# Altium PCB DCDCv1.1.PcbDoc (part 2 of 5) (continued)
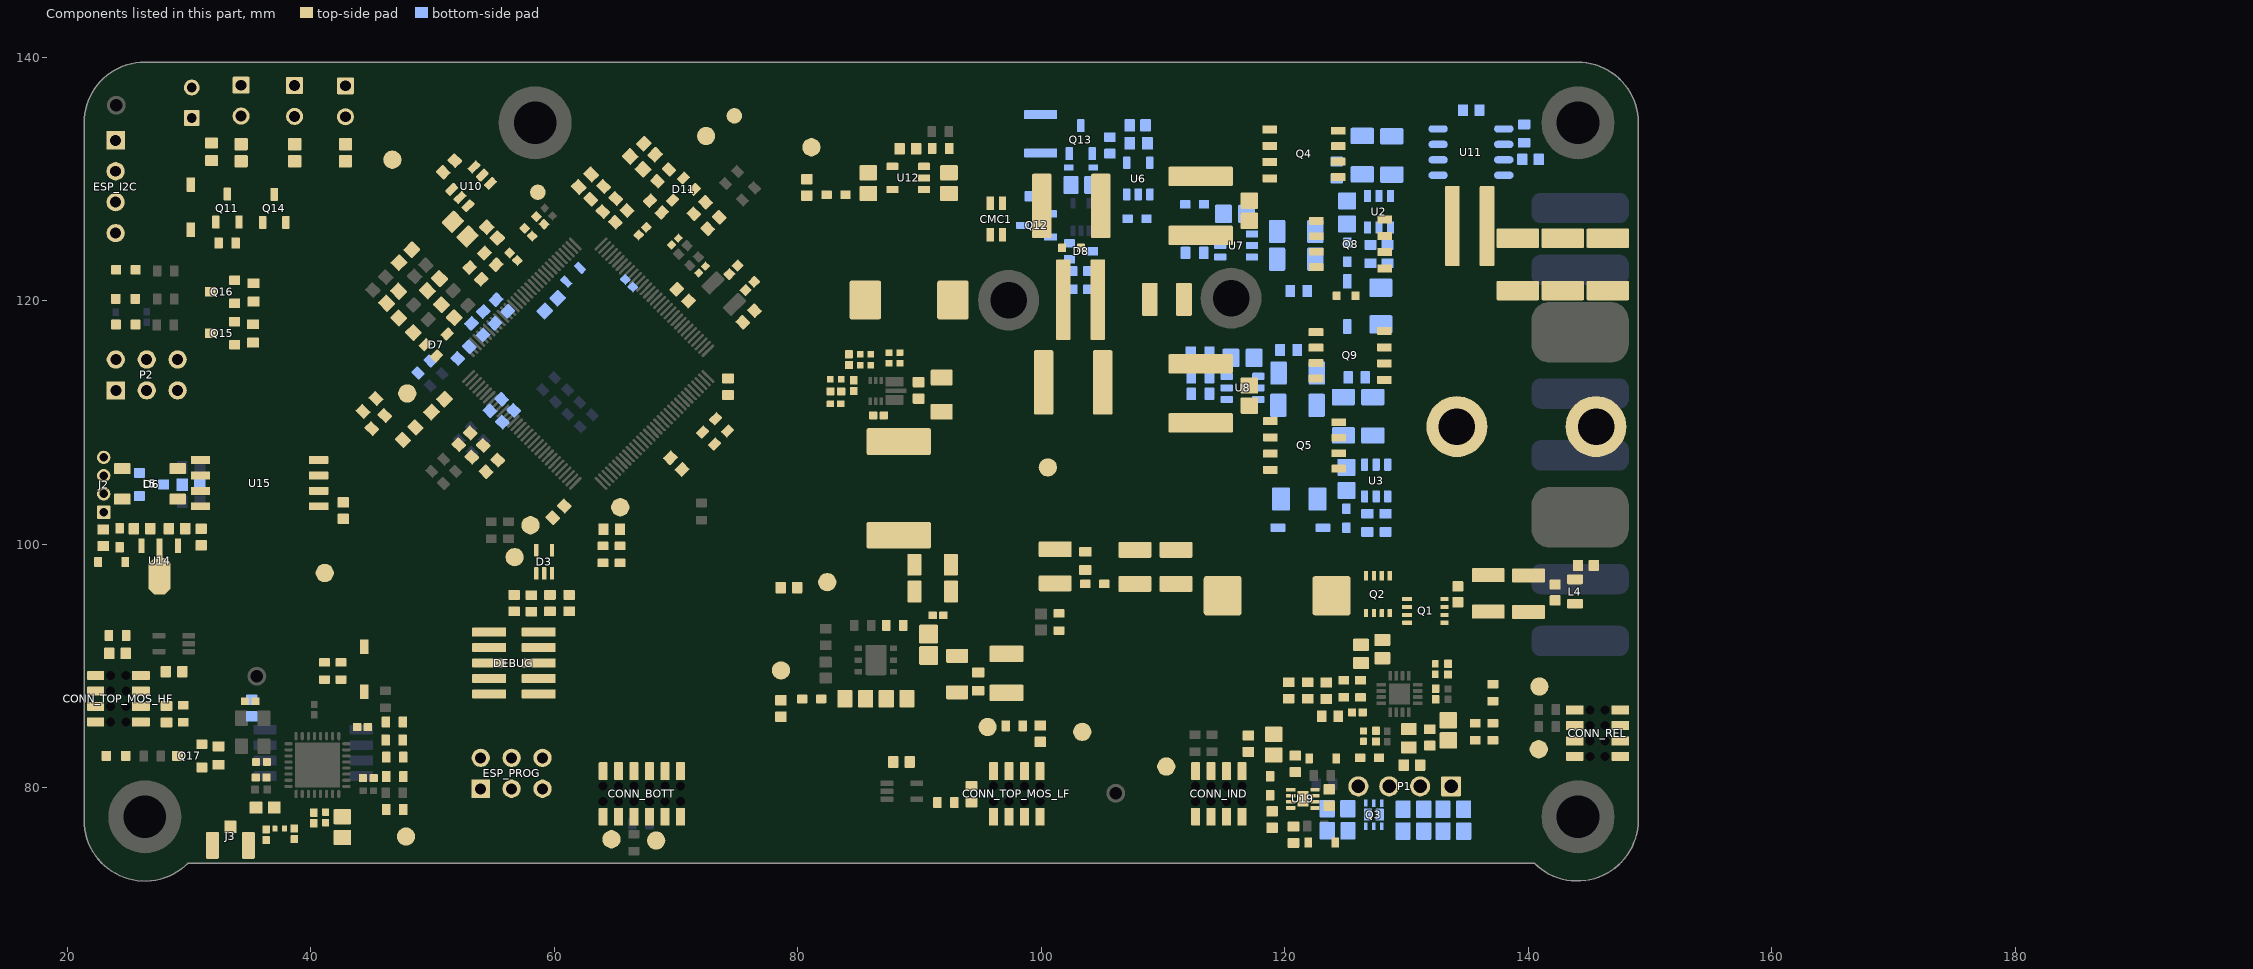
[diagram p4: the components of this part, seen from the top]
## Part data (continued)
Q1 Q2: library part CMP-1091-00311-1, "N-Channel OptiMOS 3 Power-Transistor, 80 V VDS, 23 A ID, -55 to 150 degC, PG-TSDSON-8-1, Reel, Green", Manufacturer=Infineon, ComponentLink1Description="Manufacturer URL", ComponentLink1URL=http://www.infineon.com/, ComponentLink2Description=Datasheet, ComponentLink2URL=http://www.infineon.com/dgdl/BSZ340N08NS3G_rev2.3.pdf?folderId=db3a304313b8b5a60113cee8763b02d7&fileId=db3a30431ff9881501206626660b6c72, ComponentLink3Description="Package Specification", ComponentLink3URL=http://www.infineon.com/dgdl/BSZ240N12NS3+Rev2.0.pdf?folderId=db3a304313b8b5a60113cee8763b02d7&fileId=db3a30432a40a650012a42f3057a0038, DatasheetVersion="Rev. 2.3", Green=TRUE, Halogen-free=TRUE, ID (max)="23Â A", IDpuls (max)="92Â A", Mounting Technology="Surface Mount", PackageDescription="8-Pin Plastic (Green) Thin Dual Small Outline Non-Leaded Package, 3.3 x 3.3 mm Body, 0.65 mm Pitch", PackageReference=PG-TSDSON-8-1, PackageVersion="Rev. 02, 09/2008", Packing=Reel, PartNumber=IAUZ20N08S5L300, Polarity=N, Ptot (max)="32Â W", QG="6.8Â nC", RDS (on) (max)="34Â mOhm", RDS (on) (max) (@4.5V)="66Â mOhm", Rth="3.9Â K/W", RthJA (max)="60 K/W", RthJC (max)="3.9Â K/W", VDS (max)="80Â V", VGS(th) (max)="3.5Â V", VGS(th) (min)="2Â V"
Q3: library part CMP-1258-00008-1, "Dual N-Channel Trench MOSFET, 30 V, -55 to 150 degC, 8-Pin SOT1118, Reel", Manufacturer="NXP Semiconductors", PartNumber=PMDPB56XN,115, Channel Type=N, Ciss [typ] (pF)=170, ComponentLink1Description="Manufacturer URL", ComponentLink1URL=http://www.nxp.com/, ComponentLink2Description=Datasheet, ComponentLink2URL=http://www.nxp.com/documents/data_sheet/PMDPB56XN.pdf, ComponentLink3Description="Package Specification", ComponentLink3URL=http://www.nxp.com/documents/outline_drawing/sot1118_po.pdf, Coss [typ] (pF)=35, DatasheetVersion="Rev. 1", Mounting Technology="Surface Mount", PackageDescription="6-Pin Small Outline No-Lead, Body 2 x 2 mm, Pitch 0.65 mm", PackageReference=SOT1118, PackageVersion="13-06-06, 06/2013", Packing=Reel, VDS [max] (V)=30, VGSth [typ] (V)=1
Q4 Q5 Q8 Q9: library part CMP-1091-00043-1, "N-Channel OptiMOS Power-Transistor, 60 V VDS, 100 A ID, -55 to 150 degC, PG-TDSON-8-1, Reel, Green", Manufacturer=Infineon, PartNumber=BSC027N06LS5, ComponentLink1Description="Manufacturer URL", ComponentLink1URL=http://www.infineon.com/, ComponentLink2Description=Datasheet, ComponentLink2URL=http://www.infineon.com/dgdl/BSC028N06NS_Rev2.1.pdf?folderId=db3a30431ddc9372011ebafa04517f8b&fileId=db3a3043345a30bc013465d221bd62f9, ComponentLink3Description="Package Specification", ComponentLink3URL=http://www.infineon.com/cms/packages/SMD_-_Surface_Mounted_Devices/P-PG-TDSON/P-PG-TDSON-08-01x_2x_3.html?__locale=en, DatasheetVersion="Rev. 2.1", Green=TRUE, Halogen-free=TRUE, ID (max)="100Â A", IDpuls (max)="400Â A", Mounting Technology="Surface Mount", PackageDescription="8-Pin Plastic (Green) Thin Dual Small Outline Non-Leaded Package, 5.15 x 5.9 mm Body, 1.27 mm Pitch", PackageReference=PG-TDSON-8-1, Packing=Reel, Polarity=N, Ptot (max)="83Â W", QG="37Â nC", RDS (on) (max)="2.8Â mOhm", Rth="1.5Â K/W", RthJA (max)="50 K/W", RthJC (max)="1.5Â K/W", VDS (max)="60Â V", VGS(th) (max)="3.3 V", VGS(th) (min)="2.1Â V"
Q11 Q14: library part CMP-1099-00031-1, "0.112Ω 2.8A,4.5V 1V 250uA 3.1A 0.86W 20V P Channel SOT-23(SOT-23-3) MOSFETs ROHS", JLCPCB Part #=C10487, Manufacturer=Infineon, PartNumber=BSS83P, ComponentLink1Description="Manufacturer URL", ComponentLink1URL=http://www.infineon.com/, ComponentLink2Description=Datasheet, ComponentLink2URL=http://www.infineon.com/dgdl/BSS83P_Rev1.5.pdf?folderId=db3a3043156fd5730115d6a107c41454&fileId=db3a304330f686060131045ae20e3ea3, ComponentLink3Description="Package Specification", ComponentLink3URL=http://www.infineon.com/dgdl/SOT23-Package_Overview.pdf?folderId=db3a30431936bc4b0119532290053c66&fileId=db3a30431936bc4b0119533468123c85, DatasheetVersion="Rev. 1.5", Green=TRUE, Halogen-free=TRUE, ID (max)="-0.33Â A", IDpuls (max)="-1.32Â A", Mounting Technology="Surface Mount", PackageDescription="3-Pin Small Outline Transistor Package, 2.9 x 1.3 mm Body, 0.95 mm Pitch", PackageReference=PG-SOT23, PackageVersion=Apr-08, Packing=Reel, Pto t (max)="0.36Â W", QG="2.38Â nC", RDS (on) (max)="2,000Â mOhm", RDS (on) (max) (@4.5V)="3,000Â mOhm", Rth="350Â K/W", VDS (max)="-60Â V", VGS(th) (max)="-2Â V", VGS(th) (min)="-1Â V"
Q12 Q13: library part CMP-1099-00031-1, "P-Channel SIPMOS Small-Signal-Transistor, -60 V VDS, -0.33 A ID, -55 to 150 degC, PG-SOT23, Reel, Green", Manufacturer=Infineon, PartNumber=BSS83P, ComponentLink1Description="Manufacturer URL", ComponentLink1URL=http://www.infineon.com/, ComponentLink2Description=Datasheet, ComponentLink2URL=http://www.infineon.com/dgdl/BSS83P_Rev1.5.pdf?folderId=db3a3043156fd5730115d6a107c41454&fileId=db3a304330f686060131045ae20e3ea3, ComponentLink3Description="Package Specification", ComponentLink3URL=http://www.infineon.com/dgdl/SOT23-Package_Overview.pdf?folderId=db3a30431936bc4b0119532290053c66&fileId=db3a30431936bc4b0119533468123c85, DatasheetVersion="Rev. 1.5", Green=TRUE, Halogen-free=TRUE, ID (max)="-0.33Â A", IDpuls (max)="-1.32Â A", Mounting Technology="Surface Mount", PackageDescription="3-Pin Small Outline Transistor Package, 2.9 x 1.3 mm Body, 0.95 mm Pitch", PackageReference=PG-SOT23, PackageVersion=Apr-08, Packing=Reel, Pto t (max)="0.36Â W", QG="2.38Â nC", RDS (on) (max)="2,000Â mOhm", RDS (on) (max) (@4.5V)="3,000Â mOhm", Rth="350Â K/W", VDS (max)="-60Â V", VGS(th) (max)="-2Â V", VGS(th) (min)="-1Â V"
Q15 Q16 Q17: library part CMP-2000-04929-1, "N-Channel Enhancement Mode Field Effect Transistor, 60 V, 0.115 A, -55 to 150 degC, 3-Pin SOT23, RoHS, Tape and Reel", Id - Continuous Drain Current=115mA, JLCPCB Part #=C8545, Manufacturer=DiodesIncorporated, Maximum Operating Temperature=+150C, Minimum Operating Temperature=-55C, Package / Case=SOT-23-3, Package Description="3-Pin Small Outline Transistor, Body 2.9 x 1.3 mm, Pitch 0.96 mm", Package Reference=SOT23-3, Pd - Power Dissipation=300mW, Rds On - Drain-Source Resistance=7.5Ohms, Vds - Drain-Source Breakdown Voltage=70V, Vgs - Gate-Source Voltage=20V, Brand=DiodesIncorporated, Channel Mode=Enhancement, Configuration=Single, Datasheet URL=http://datasheet.octopart.com/2N7002-7-F-Diodes-Inc.-datasheet-8326113.pdf, Datasheet Version="Rev. 21-2, 02/2009", Factory Pack Quantity=3000, Fall Time=5.6ns, Forward Transconductance - Min=0.08S, Height=1mm, Length=2.9mm, Manufacturer URL=http://www.diodes.com/, Mounting Style=SMD/SMT, Number of Channels=1Channel, Packaging=Reel, Product=MOSFETSmallSignal, Product Category=MOSFET, Rise Time=3ns, RoHS=True, Series=2N7002, Technology=Si, Transistor Polarity=N-Channel, Transistor Type=1N-Channel, Type=EnhancementModeFieldEffectTransistor, Typical Turn-Off Delay Time=11ns, Typical Turn-On Delay Time=7ns, Unit Weight=0.000282oz, Width=1.3mm
R1 R42: library part CMP-2100-03667-1, "Chip Resistor, 0 Ohm, +/- 5%, 0.1 W, -55 to 155 degC, 0603 (1608 Metric), RoHS, Tape and Reel", Case Code (Imperial)=0603, Case Code (Metric)=1608, Manufacturer=Yageo, Max Operating Temperature=155degC, Min Operating Temperature=-55degC, Package Description="2-Pin Surface Mount Device, Body 1.6 x 0.8 mm", Package Quantity=5000, Power Rating=100mW, Resistance=0mOhm, Temperature coefficient=200ppm/degreesC, Tolerance=5%, Voltage Rating=50V, Case/Package=0603, Composition=ThickFilm, Contact Plating=Tin, Datasheet URL=http://www.yageo.com/NewPortal/yageodocoutput?fileName=/pdf/R-Chip/PYu-RC_Group_51_RoHS_L_5.pdf, Datasheet Version="Rev. 5, 10/2016", Depth=0.8mm, Height=0.45mm, Lead Free=LeadFree, Length=1.6mm, Manufacturer URL=http://www.yageo.com/, Military Standard=Not, Number of Pins=2, Package Reference=0603, Packaging=TapeandReel, Radiation Hardening=No, REACH SVHC=NoSVHC, RoHSCompliant=true, Termination=SMD/SMT, Voltage Rating (DC)=50V, Width=0.8mm
R2 R40 R44 R57 R59 R113: library part RES, "±1% ±200ppm/℃ 0.1W 49.9Ω 0603 Chip Resistor - Surface Mount ROHS", Case Code (Imperial)=0603, Case Code (Metric)=1608, JLCPCB Part #=C23185, Manufacturer=Panasonic, Manufacturer Part Number=ERJ3EKF49R9V, Max Operating Temperature=155°C, Max Power Dissipation=100mW, Min Operating Temperature=-55°C, Package Quantity=5000, Part Number=ERJ-3EKF49R9V, Resistance Tolerance=1%, Resistor Type="Thick Film", Supplier Part Number 1=1229343, Temperature coefficient=100ppm/°C, Voltage Rating=75V, Voltage Rating (DC)=50V, Working Voltage=6V, Case/Package=0603, Category="Chip SMD Resistors", ComponentLink1Description=https://datasheet.ciiva.com/46388/1678782-46388908.pdf?src-supplier=Element14, ComponentLink1URL=https://datasheet.ciiva.com/46388/1678782-46388908.pdf?src-supplier=Element14, ComponentLink2Description=https://datasheet.ciiva.com/28694/1678782-28694219.pdf?src-supplier=Element14, ComponentLink2URL=https://datasheet.ciiva.com/28694/1678782-28694219.pdf?src-supplier=Element14, ComponentLink3Description=https://datasheet.ciiva.com/16772/70260748-16772570.pdf?src-supplier=Allied+Electronics, ComponentLink3URL=https://datasheet.ciiva.com/16772/70260748-16772570.pdf?src-supplier=Allied+Electronics, ComponentLink4Description=https://datasheet.ciiva.com/16766/70260748-16766262.pdf?src-supplier=Allied+Electronics, ComponentLink4URL=https://datasheet.ciiva.com/16766/70260748-16766262.pdf?src-supplier=Allied+Electronics, ComponentLink5Description=https://datasheet.ciiva.com/9117/aoa0000ce2-9117128.pdf?src-supplier=Avnet, ComponentLink5URL=https://datasheet.ciiva.com/9117/aoa0000ce2-9117128.pdf?src-supplier=Avnet, ComponentLink6Description=https://datasheet.ciiva.com/48531/aoa0000ce2-48531019.pdf?src-supplier=Avnet, ComponentLink6URL=https://datasheet.ciiva.com/48531/aoa0000ce2-48531019.pdf?src-supplier=Avnet, ComponentLink7Description=https://datasheet.ciiva.com/30095/aoa0000ce2-30095355.pdf?src-supplier=Onlinecomponents.com, ComponentLink7URL=https://datasheet.ciiva.com/30095/aoa0000ce2-30095355.pdf?src-supplier=Onlinecomponents.com, Construction=Rectangular, Contact Plating=Tin, Depth=0.8mm, Features="Automotive AEC-Q200", Height=0.022inch, Lead Free="Lead Free", Length=1.6mm, Military Standard=Not, Mount="Surface Mount", Number of Terminations=2, Packaging="Tape and Reel", Power Rating=100mW, Pricing 1="5000=0.00700 (USD)", Radiation Hardening=No, REACH SVHC=Unknown, Resistance=49.9R, RoHS=Yes, RoHS Compliant=Yes, Series=ERJ, Stock 1=1, Supplier 1=RSComponents, Technology="THICK FILM", Termination=SMD/SMT, Tolerance=1%, Width=0.8mm
R3 R77 R79: library part RES-2, "±1% ±100ppm/℃ 10kΩ 0.1W 0603 Chip Resistor - Surface Mount ROHS", Case Code (Imperial)=0603, Case Code (Metric)=1608, JLCPCB Part #=C25804, Manufacturer=Yageo, Manufacturer Part Number=RC0603JR-071ML, Max Operating Temperature=155°C, Min Operating Temperature=-55°C, Package Description="2-Pin Surface Mount Device, Body 1.6 x 0.8 mm", Package Quantity=5000, Power Rating=100mW, Resistance=1Mohm, Resistance Tolerance=±5%, Resistor Case Style=0603[1608Metric], Resistor Element Type=ThickFilm, Supplier Part Number 1=311-1.0MGRCT-ND, Temperature coefficient=±100ppm/°C, Tolerance=5%, Voltage Rating=50V, Automotive Qualification Standard=-, Case/Package=0603, ComponentLink1Description=https://datasheet.ciiva.com/46395/443971-46395067.pdf?src-supplier=Element14, ComponentLink1URL=https://datasheet.ciiva.com/46395/443971-46395067.pdf?src-supplier=Element14, ComponentLink2Description=https://datasheet.ciiva.com/8883/pyu-rc0603-51-rohs-l-4-8883053.pdf?src-supplier=Avnet, ComponentLink2URL=https://datasheet.ciiva.com/8883/pyu-rc0603-51-rohs-l-4-8883053.pdf?src-supplier=Avnet, ComponentLink3Description=https://datasheet.ciiva.com/12555/rc0603-272842-12555342.pdf?src-supplier=Mouser, ComponentLink3URL=https://datasheet.ciiva.com/12555/rc0603-272842-12555342.pdf?src-supplier=Mouser, ComponentLink4Description=https://datasheet.ciiva.com/7746/443971-7746463.pdf?src-supplier=Element14, ComponentLink4URL=https://datasheet.ciiva.com/7746/443971-7746463.pdf?src-supplier=Element14, Composition="Thick Film", Contact Plating=Tin,Matte, Datasheet URL=http://www.yageo.com/documents/recent/PYu-RC_Group_51_RoHS_L_7.pdf, Datasheet Version="Rev. 7, 05/2017", Depth=0.8mm, Height=0.45mm, Lead Free="Lead Free", Length=1.6mm, Manufacturer URL=http://www.yageo.com/, Military Standard=Not, Mounting Technology=SurfaceMount, MSL=MSL1-Unlimited, Number of Pins=2, Package Reference=0603, Packaging=CutTape, Pricing 1="1=0,10000, 10=0,01900, 100=0,00770, 1000=0,00347, 2500=0,00301 (USD)", Product Range=RCSeries, Radiation Hardening=No, REACH SVHC="No SVHC", RoHS=Yes, Stock 1=3949362, Supplier 1=Digi-Key, SVHC=ToBeAdvised, Termination=SMD/SMT, Voltage Rating (DC)=50V, Width=0.8mm
R4 R102 R115 R155 R156: library part CMP-2000-06953-1, "±1% 100kΩ ±100ppm/℃ 0.1W 0603 Chip Resistor - Surface Mount ROHS", Case Code (Imperial)=0603, Case Code (Metric)=1608, JLCPCB Part #=C25803, Manufacturer=Yageo, Manufacturer Part Number=RC0603JR-071ML, Max Operating Temperature=155°C, Min Operating Temperature=-55°C, Package Description="2-Pin Surface Mount Device, Body 1.6 x 0.8 mm", Package Quantity=5000, Power Rating=100mW, Resistance=1Mohm, Resistance Tolerance=±5%, Resistor Case Style=0603[1608Metric], Resistor Element Type=ThickFilm, Supplier Part Number 1=311-1.0MGRCT-ND, Temperature coefficient=±100ppm/°C, Tolerance=5%, Voltage Rating=50V, Automotive Qualification Standard=-, Case/Package=0603, ComponentLink1Description=https://datasheet.ciiva.com/46395/443971-46395067.pdf?src-supplier=Element14, ComponentLink1URL=https://datasheet.ciiva.com/46395/443971-46395067.pdf?src-supplier=Element14, ComponentLink2Description=https://datasheet.ciiva.com/8883/pyu-rc0603-51-rohs-l-4-8883053.pdf?src-supplier=Avnet, ComponentLink2URL=https://datasheet.ciiva.com/8883/pyu-rc0603-51-rohs-l-4-8883053.pdf?src-supplier=Avnet, ComponentLink3Description=https://datasheet.ciiva.com/12555/rc0603-272842-12555342.pdf?src-supplier=Mouser, ComponentLink3URL=https://datasheet.ciiva.com/12555/rc0603-272842-12555342.pdf?src-supplier=Mouser, ComponentLink4Description=https://datasheet.ciiva.com/7746/443971-7746463.pdf?src-supplier=Element14, ComponentLink4URL=https://datasheet.ciiva.com/7746/443971-7746463.pdf?src-supplier=Element14, Composition="Thick Film", Contact Plating=Tin,Matte, Datasheet URL=http://www.yageo.com/documents/recent/PYu-RC_Group_51_RoHS_L_7.pdf, Datasheet Version="Rev. 7, 05/2017", Depth=0.8mm, Height=0.45mm, Lead Free="Lead Free", Length=1.6mm, Manufacturer URL=http://www.yageo.com/, Military Standard=Not, Mounting Technology=SurfaceMount, MSL=MSL1-Unlimited, Number of Pins=2, Package Reference=0603, Packaging=CutTape, Pricing 1="1=0,10000, 10=0,01900, 100=0,00770, 1000=0,00347, 2500=0,00301 (USD)", Product Range=RCSeries, Radiation Hardening=No, REACH SVHC="No SVHC", RoHS=Yes, Stock 1=3949362, Supplier 1=Digi-Key, SVHC=ToBeAdvised, Termination=SMD/SMT, Voltage Rating (DC)=50V, Width=0.8mm
R5: library part CMP-2002-07052-1, "±1% 39kΩ 1/16W ±100ppm/℃ 0402 Chip Resistor - Surface Mount ROHS", Case Code (Imperial)=0402, Case Code (Metric)=1005, JLCPCB Part #=C25783, Manufacturer="Yageo / Phycomp", Manufacturer Part Number=RC0402FR-0719K1L, Max Operating Temperature=155°C, Max Power Dissipation=63mW, Min Operating Temperature=-55°C, Package Quantity=1, Power Rating=62.5mW, Resistance=19.1kR, Resistor Type="Thick Film", Supplier Part Number 1=311-19.1KLRCT-ND, Temperature coefficient=100ppm/°C, Tolerance=1%, Voltage Rating=50V, Case/Package=0402, Category="Chip SMD Resistors", ComponentLink1Description=https://datasheet.ciiva.com/17068/pyu-rc0402-51-rohs-l-6-r-17068405.pdf?src-supplier=Future+Electronics, ComponentLink1URL=https://datasheet.ciiva.com/17068/pyu-rc0402-51-rohs-l-6-r-17068405.pdf?src-supplier=Future+Electronics, ComponentLink2Description=https://datasheet.ciiva.com/16869/pyu-rc0402-51-rohs-l-6-16869416.pdf?src-supplier=Avnet+Europe, ComponentLink2URL=https://datasheet.ciiva.com/16869/pyu-rc0402-51-rohs-l-6-16869416.pdf?src-supplier=Avnet+Europe, ComponentLink3Description=https://datasheet.ciiva.com/2553/pyu-r-int-thick-7-2553197.pdf?src-supplier=Digi-Key, ComponentLink3URL=https://datasheet.ciiva.com/2553/pyu-r-int-thick-7-2553197.pdf?src-supplier=Digi-Key, ComponentLink4Description=https://datasheet.ciiva.com/2553/pyu-r-int-thick-7-2553198.pdf?src-supplier=Digi-Key, ComponentLink4URL=https://datasheet.ciiva.com/2553/pyu-r-int-thick-7-2553198.pdf?src-supplier=Digi-Key, ComponentLink5Description=https://datasheet.ciiva.com/28402/pyu-rc0402-51-rohs-l-6-28402894.pdf?src-supplier=Avnet+Europe, ComponentLink5URL=https://datasheet.ciiva.com/28402/pyu-rc0402-51-rohs-l-6-28402894.pdf?src-supplier=Avnet+Europe, ComponentLink6Description=https://datasheet.ciiva.com/2553/pyu-r-int-thick-7-2553199.pdf?src-supplier=Digi-Key, ComponentLink6URL=https://datasheet.ciiva.com/2553/pyu-r-int-thick-7-2553199.pdf?src-supplier=Digi-Key, Construction=Rectangular, Contact Plating=Tin,Matte, Depth=0.5mm, Features="Moisture Resistant", Height=0.016inch, Lead Free="Lead Free", Length=0.039inch, Military Standard=Not, Number of Terminations=2, Packaging="Tape and Reel", Part Number=RC0402FR-0719K1L, Pricing 1="1=0.10000, 10=0.01600, 100=0.00660, 1000=0.00299, 2500=0.00259, 5000=0.00214 (USD)", RoHS=Yes, RoHS Compliant=Yes, Series=RC, Size Code=0402, Stock 1=185582, Supplier 1=Digi-Key, Termination=SMD/SMT, Voltage Rating (DC)=50V, Width=0.02inch
R6: library part CMP-2000-00296-1, "±1% 180kΩ ±100ppm/℃ 0.1W 0603 Chip Resistor - Surface Mount ROHS", Case Code (Imperial)=0603, Case Code (Metric)=1608, JLCPCB Part #=C22827, Manufacturer=Panasonic, Manufacturer Part Number=ERJ-3EKF1803V, Max Operating Temperature=155°C, Max Power Dissipation=100mW, Min Operating Temperature=-55°C, Package Quantity=1, Part Number=ERJ3EKF1803V, Resistance=180kR, Resistance Tolerance=1%, Resistor Type="Thick Film", Supplier Part Number 1=P180KHCT-ND, Temperature coefficient=100ppm/°C, Voltage Rating=75V, Case/Package=0603, Category="Chip SMD Resistors", ComponentLink1Description=https://datasheet.ciiva.com/22739/426256-22739797.pdf?src-supplier=Element14, ComponentLink1URL=https://datasheet.ciiva.com/22739/426256-22739797.pdf?src-supplier=Element14, ComponentLink2Description=https://datasheet.ciiva.com/24162/aoa0000ce2-24162661.pdf?src-supplier=Mouser, ComponentLink2URL=https://datasheet.ciiva.com/24162/aoa0000ce2-24162661.pdf?src-supplier=Mouser, ComponentLink3Description=https://datasheet.ciiva.com/30137/aoa0000ce2-30137813.pdf?src-supplier=Onlinecomponents.com, ComponentLink3URL=https://datasheet.ciiva.com/30137/aoa0000ce2-30137813.pdf?src-supplier=Onlinecomponents.com, ComponentLink4Description=https://datasheet.ciiva.com/46436/1678782-46436790.pdf?src-supplier=Element14, ComponentLink4URL=https://datasheet.ciiva.com/46436/1678782-46436790.pdf?src-supplier=Element14, ComponentLink5Description=https://datasheet.ciiva.com/46436/1678782-46436791.pdf?src-supplier=Element14, ComponentLink5URL=https://datasheet.ciiva.com/46436/1678782-46436791.pdf?src-supplier=Element14, ComponentLink6Description=https://datasheet.ciiva.com/16782/70260748-16782408.pdf?src-supplier=Allied+Electronics, ComponentLink6URL=https://datasheet.ciiva.com/16782/70260748-16782408.pdf?src-supplier=Allied+Electronics, ComponentLink7Description=https://datasheet.ciiva.com/17207/aoa0000ce2-17207208.pdf?src-supplier=Avnet+Europe, ComponentLink7URL=https://datasheet.ciiva.com/17207/aoa0000ce2-17207208.pdf?src-supplier=Avnet+Europe, ComponentLink8Description=https://datasheet.ciiva.com/28568/1678782-28568699.pdf?src-supplier=Element14, ComponentLink8URL=https://datasheet.ciiva.com/28568/1678782-28568699.pdf?src-supplier=Element14, ComponentLink9Description=https://datasheet.ciiva.com/5915/aoa0000ce2-5915294.pdf?src-supplier=Farnell, ComponentLink9URL=https://datasheet.ciiva.com/5915/aoa0000ce2-5915294.pdf?src-supplier=Farnell, ComponentLink10Description=https://datasheet.ciiva.com/9184/aoa0000ce2-9184911.pdf?src-supplier=Avnet, ComponentLink10URL=https://datasheet.ciiva.com/9184/aoa0000ce2-9184911.pdf?src-supplier=Avnet, Construction=Rectangular, Contact Plating=Tin, Depth=0.8mm, Features="Automotive AEC-Q200", Height=0.022inch, Lead Free="Lead Free", Length=1.6mm, Military Standard=Not, Mount="Surface Mount", Number of Terminations=2, Packaging="Tape and Reel", Power Rating=100mW, Pricing 1="1=0.10000, 10=0.06100, 100=0.02460, 1000=0.01106, 2500=0.00960 (USD)", Radiation Hardening=No, REACH SVHC="No SVHC", RoHS=Yes, RoHS Compliant=Yes, Series=ERJ, Stock 1=113875, Supplier 1=Digi-Key, Termination=SMD/SMT, Tolerance=1%, Voltage Rating (DC)=75V, Weight=7.1E-05oz, Width=0.031inch
R7 R52 R71 R118 R122 R123 R132: library part CMP-2100-03662-1, "±1% 100kΩ ±100ppm/℃ 0.1W 0603 Chip Resistor - Surface Mount ROHS", Case Code (Imperial)=0603, Case Code (Metric)=1608, JLCPCB Part #=C25803, Manufacturer=Yageo, Manufacturer Part Number=RC0603FR-07100KL, Max Operating Temperature=155degC, Max Power Dissipation=100mW, Min Operating Temperature=-55degC, Package Description="2-Pin Surface Mount Device, Body 1.6 x 0.8 mm", Resistance=100KOhm, Resistance Tolerance=1%, Resistor Type="Thick Film", Supplier Part Number 1=311-100KHRCT-ND, Temperature coefficient=100ppm/degreesC, Voltage Rating=50V, Working Voltage=75V, Case/Package=0603, Category="Chip SMD Resistors", ComponentLink1Description=https://datasheet.ciiva.com/11808/0900766b80f96399-11808107.pdf?src-supplier=RSComponents, ComponentLink1URL=https://datasheet.ciiva.com/11808/0900766b80f96399-11808107.pdf?src-supplier=RSComponents, ComponentLink2Description=https://datasheet.ciiva.com/7983/443971-7983593.pdf?src-supplier=Element14, ComponentLink2URL=https://datasheet.ciiva.com/7983/443971-7983593.pdf?src-supplier=Element14, ComponentLink3Description=https://datasheet.ciiva.com/46440/1868787-46440889.pdf?src-supplier=Element14, ComponentLink3URL=https://datasheet.ciiva.com/46440/1868787-46440889.pdf?src-supplier=Element14, ComponentLink4Description=https://datasheet.ciiva.com/7746/1738695-7746234.pdf?src-supplier=Element14, ComponentLink4URL=https://datasheet.ciiva.com/7746/1738695-7746234.pdf?src-supplier=Element14, ComponentLink5Description=https://datasheet.ciiva.com/7746/1738695-7746235.pdf?src-supplier=Element14, ComponentLink5URL=https://datasheet.ciiva.com/7746/1738695-7746235.pdf?src-supplier=Element14, ComponentLink6Description=https://datasheet.ciiva.com/22747/443971-22747516.pdf?src-supplier=Element14, ComponentLink6URL=https://datasheet.ciiva.com/22747/443971-22747516.pdf?src-supplier=Element14, Composition=ThickFilm, Construction=Rectangular, Datasheet URL=http://www.yageo.com/NewPortal/yageodocoutput?fileName=/pdf/R-Chip/PYu-RC_Group_51_RoHS_L_5.pdf, Datasheet Version="Rev. 5, 10/2016", Depth=0.8mm, Features="Moisture Resistant", Height=0.45mm, Lead Free=LeadFree, Length=1.6mm, Manufacturer URL=http://www.yageo.com/, Military Standard=Not, Number of Pins=2, Number of Terminations=2, Package Reference=0603, Packaging=TapeandReel, Power Rating=100mW, Pricing 1="1=0.10000, 10=0.02400, 100=0.00970, 1000=0.00436, 2500=0.00378 (USD)", REACH SVHC=NoSVHC, RoHS=Yes, RoHS Compliant=Yes, RoHSCompliant=true, Series=RC, Stock 1=19283456, Supplier 1=Digi-Key, Technology="THICK FILM", Termination=SMD/SMT, Tolerance=1%, Voltage Rating (DC)=50V, Width=0.8mm
R8 R45: library part RES, "RES SMD 3 MOHM 3W 2512 WIDE", Case Code (Imperial)=2512, Case Code (Metric)=6432, Manufacturer=Susumu, Manufacturer Part Number=KRL6432E-M-R003-F-T1, Max Operating Temperature=155°C, Min Operating Temperature=-55°C, Package Quantity=1000, Power Rating=3W, Resistance=3mR, Supplier Part Number 1=408-1613-1-ND, Temperature coefficient=50ppm/°C, Tolerance=1%, Case/Package=2512, Category="Chip SMD Resistors", ComponentLink1Description=http://www.mouser.com/ds/2/392/n_catalog_partition19_en-1114600.pdf?src-supplier=Mouser, ComponentLink1URL=http://www.mouser.com/ds/2/392/n_catalog_partition19_en-1114600.pdf?src-supplier=Mouser, ComponentLink2Description=http://www.susumu-usa.com/pdf/Foot_Print_21.pdf?src-supplier=Digi-Key, ComponentLink2URL=http://www.susumu-usa.com/pdf/Foot_Print_21.pdf?src-supplier=Digi-Key, ComponentLink3Description=http://www.susumu.co.jp/common/pdf/n_catalog_partition19_en.pdf?src-supplier=Digi-Key, ComponentLink3URL=http://www.susumu.co.jp/common/pdf/n_catalog_partition19_en.pdf?src-supplier=Digi-Key, Composition="Metal Foil", Height=0.5mm, Length=6.3mm, Packaging="Tape and Reel", Pricing 1="1=0.96000, 10=0.85300, 25=0.78360, 50=0.71500, 100=0.61880, 250=0.52252, 500=0.44000 (USD)", RoHS=Yes, Stock 1=10436, Supplier 1=Digi-Key, Termination=SMD/SMT, Weight=0.001429oz, Width=3.1mm
R9: library part CMP-1659-00044-1, "150kΩ ±1% ±100ppm/℃ 0.1W 0603 Chip Resistor - Surface Mount ROHS", Case Code (Imperial)=0603, Case Code (Metric)=1608, JLCPCB Part #=C22807, Manufacturer=Yageo, Manufacturer Part Number=RC0603FR-07150KL, Max Operating Temperature=155°C, Max Power Dissipation=100mW, Min Operating Temperature=-55°C, Package Quantity=1, Resistance=150kR, Resistance Tolerance=1%, Resistor Type="Thick Film", Supplier Part Number 1=311-150KHRCT-ND, Temperature coefficient=100ppm/°C, Voltage Rating=50V, Case/Package=0603, Category="Chip SMD Resistors", ComponentLink1Description="Manufacturer URL", ComponentLink1URL=http://www.yageo.com/, ComponentLink2Description=Datasheet, ComponentLink2URL=http://www.yageo.com/documents/recent/PYu-RC_Group_51_RoHS_L_04.pdf, ComponentLink3Description=https://datasheet.ciiva.com/2454/pyu-r-int-thick-7-2454080.pdf?src-supplier=Digi-Key, ComponentLink3URL=https://datasheet.ciiva.com/2454/pyu-r-int-thick-7-2454080.pdf?src-supplier=Digi-Key, ComponentLink4Description=https://datasheet.ciiva.com/15189/getdatasheetpartid-326478-15189611.pdf?src-supplier=Verical, ComponentLink4URL=https://datasheet.ciiva.com/15189/getdatasheetpartid-326478-15189611.pdf?src-supplier=Verical, ComponentLink5Description=https://datasheet.ciiva.com/46412/443971-46412843.pdf?src-supplier=Element14, ComponentLink5URL=https://datasheet.ciiva.com/46412/443971-46412843.pdf?src-supplier=Element14, ComponentLink6Description=https://datasheet.ciiva.com/46440/1868787-46440892.pdf?src-supplier=Element14, ComponentLink6URL=https://datasheet.ciiva.com/46440/1868787-46440892.pdf?src-supplier=Element14, ComponentLink7Description=https://datasheet.ciiva.com/2454/pyu-r-int-thick-7-2454078.pdf?src-supplier=Digi-Key, ComponentLink7URL=https://datasheet.ciiva.com/2454/pyu-r-int-thick-7-2454078.pdf?src-supplier=Digi-Key, ComponentLink8Description=https://datasheet.ciiva.com/7746/443971-7746254.pdf?src-supplier=Element14, ComponentLink8URL=https://datasheet.ciiva.com/7746/443971-7746254.pdf?src-supplier=Element14, ComponentLink9Description=https://datasheet.ciiva.com/2454/pyu-r-int-thick-7-2454079.pdf?src-supplier=Digi-Key, ComponentLink9URL=https://datasheet.ciiva.com/2454/pyu-r-int-thick-7-2454079.pdf?src-supplier=Digi-Key, ComponentLink10Description=https://datasheet.ciiva.com/7746/443971-7746255.pdf?src-supplier=Element14, ComponentLink10URL=https://datasheet.ciiva.com/7746/443971-7746255.pdf?src-supplier=Element14, Construction=Rectangular, DatasheetVersion="Rev. 4, 02/2016", Depth=0.8mm, Features="Moisture Resistant", Height=0.022inch, Lead Free="Lead Free", Length=0.063inch, Military Standard=Not, Number of Pins=2, Number of Terminations=2, PackageDescription="2-Pin Surface Mount Device, Body 1.6 x 0.8 mm", PackageReference=0603, Packaging="Tape and Reel", Power Rating=100mW, Pricing 1="1=0.10000, 10=0.02400, 100=0.00970, 1000=0.00436, 2500=0.00378 (USD)", REACH SVHC="No SVHC", RoHS=Yes, RoHS Compliant=Yes, Series=RC, Size Code=0603, Stock 1=824633, Supplier 1=Digi-Key, Termination=SMD/SMT, Tolerance=1%, Voltage Rating (DC)=50V, Width=0.031inch
R10 R38 R60 R66 R87: library part RES, "±1% ±400ppm/℃ 5.1Ω 0.1W 0603 Chip Resistor - Surface Mount ROHS", Case Code (Imperial)=0603, Case Code (Metric)=1608, JLCPCB Part #=C25197, Manufacturer=Panasonic, Manufacturer Part Number=ERJ-3EKF1803V, Max Operating Temperature=155°C, Max Power Dissipation=100mW, Min Operating Temperature=-55°C, Package Quantity=1, Part Number=ERJ3EKF1803V, Resistance=180kR, Resistance Tolerance=1%, Resistor Type="Thick Film", Supplier Part Number 1=P180KHCT-ND, Temperature coefficient=100ppm/°C, Voltage Rating=75V, Case/Package=0603, Category="Chip SMD Resistors", ComponentLink1Description=https://datasheet.ciiva.com/22739/426256-22739797.pdf?src-supplier=Element14, ComponentLink1URL=https://datasheet.ciiva.com/22739/426256-22739797.pdf?src-supplier=Element14, ComponentLink2Description=https://datasheet.ciiva.com/24162/aoa0000ce2-24162661.pdf?src-supplier=Mouser, ComponentLink2URL=https://datasheet.ciiva.com/24162/aoa0000ce2-24162661.pdf?src-supplier=Mouser, ComponentLink3Description=https://datasheet.ciiva.com/30137/aoa0000ce2-30137813.pdf?src-supplier=Onlinecomponents.com, ComponentLink3URL=https://datasheet.ciiva.com/30137/aoa0000ce2-30137813.pdf?src-supplier=Onlinecomponents.com, ComponentLink4Description=https://datasheet.ciiva.com/46436/1678782-46436790.pdf?src-supplier=Element14, ComponentLink4URL=https://datasheet.ciiva.com/46436/1678782-46436790.pdf?src-supplier=Element14, ComponentLink5Description=https://datasheet.ciiva.com/46436/1678782-46436791.pdf?src-supplier=Element14, ComponentLink5URL=https://datasheet.ciiva.com/46436/1678782-46436791.pdf?src-supplier=Element14, ComponentLink6Description=https://datasheet.ciiva.com/16782/70260748-16782408.pdf?src-supplier=Allied+Electronics, ComponentLink6URL=https://datasheet.ciiva.com/16782/70260748-16782408.pdf?src-supplier=Allied+Electronics, ComponentLink7Description=https://datasheet.ciiva.com/17207/aoa0000ce2-17207208.pdf?src-supplier=Avnet+Europe, ComponentLink7URL=https://datasheet.ciiva.com/17207/aoa0000ce2-17207208.pdf?src-supplier=Avnet+Europe, ComponentLink8Description=https://datasheet.ciiva.com/28568/1678782-28568699.pdf?src-supplier=Element14, ComponentLink8URL=https://datasheet.ciiva.com/28568/1678782-28568699.pdf?src-supplier=Element14, ComponentLink9Description=https://datasheet.ciiva.com/5915/aoa0000ce2-5915294.pdf?src-supplier=Farnell, ComponentLink9URL=https://datasheet.ciiva.com/5915/aoa0000ce2-5915294.pdf?src-supplier=Farnell, ComponentLink10Description=https://datasheet.ciiva.com/9184/aoa0000ce2-9184911.pdf?src-supplier=Avnet, ComponentLink10URL=https://datasheet.ciiva.com/9184/aoa0000ce2-9184911.pdf?src-supplier=Avnet, Construction=Rectangular, Contact Plating=Tin, Depth=0.8mm, Features="Automotive AEC-Q200", Height=0.022inch, Lead Free="Lead Free", Length=1.6mm, Military Standard=Not, Mount="Surface Mount", Number of Terminations=2, Packaging="Tape and Reel", Power Rating=100mW, Pricing 1="1=0.10000, 10=0.06100, 100=0.02460, 1000=0.01106, 2500=0.00960 (USD)", Radiation Hardening=No, REACH SVHC="No SVHC", RoHS=Yes, RoHS Compliant=Yes, Series=ERJ, Stock 1=113875, Supplier 1=Digi-Key, Termination=SMD/SMT, Tolerance=1%, Voltage Rating (DC)=75V, Weight=7.1E-05oz, Width=0.031inch
R11 R12 R16 R17: library part CMP-2000-01851-1, "±1% 39kΩ ±100ppm/℃ 0.1W 0603 Chip Resistor - Surface Mount ROHS", Case Code (Imperial)=0603, Case Code (Metric)=1608, JLCPCB Part #=C23153, Manufacturer="KOA Speer", Manufacturer Part Number=RK73B1JTTD103J, Max Operating Temperature=155°C, Min Operating Temperature=-55°C, Package Quantity=5000, Power Rating=100mW, Resistance=10kR, Supplier Part Number 1=2019-RK73B1JTTD103JCT-ND, Temperature coefficient=200ppm/°C, Tolerance=5%, Voltage Rating=50V, Case/Package=0603, ComponentLink1Description=https://datasheet.ciiva.com/34302/1877832-34302947.pdf?src-supplier=Jameco, ComponentLink1URL=https://datasheet.ciiva.com/34302/1877832-34302947.pdf?src-supplier=Jameco, ComponentLink2Description=https://datasheet.ciiva.com/5554/rk73b-5554408.pdf?src-supplier=Mouser, ComponentLink2URL=https://datasheet.ciiva.com/5554/rk73b-5554408.pdf?src-supplier=Mouser, ComponentLink3Description=https://datasheet.ciiva.com/7773/548635-7773278.pdf?src-supplier=Element14, ComponentLink3URL=https://datasheet.ciiva.com/7773/548635-7773278.pdf?src-supplier=Element14, Composition="Thick Film", Depth=0.8mm, Height=0.45mm, Lead Free="Lead Free", Length=1.6mm, Military Standard=Not, Number of Pins=2, Packaging="Tape and Reel", Part Number=RK73B1JTTD103J, Pricing 1="1=0,10000, 10=0,01500, 100=0,00610, 1000=0,00275, 2500=0,00239 (USD)", RoHS=Yes, Stock 1=652898, Supplier 1=Digi-Key, Termination=SMD/SMT, Voltage Rating (DC)=50V, Width=0.8mm
R13 R21 R23 R47 R53 R85 R89 R91: library part CMP-2003-00929-1, Manufacturer="KOA Speer", Part Number=RK73B2BTTD4R7J
R14 R22 R24 R25 R28 R49 R51 R55 R90 R92: library part CMP-2100-03663-1, "Chip Resistor, 100 Ohm, +/- 1%, 0.1 W, -55 to 155 degC, 0603 (1608 Metric), RoHS, Tape and Reel", Case Code (Imperial)=0603, Case Code (Metric)=1608, Manufacturer=Yageo, Manufacturer Part Number=RC0603FR-07100RL, Max Operating Temperature=155degC, Min Operating Temperature=-55degC, Package Description="2-Pin Surface Mount Device, Body 1.6 x 0.8 mm", Power Rating=100mW, Resistance=100Ohm, Supplier Part Number 1=311-100HRDKR-ND, Temperature coefficient=100ppm/degreesC, Tolerance=1%, Voltage Rating=50V, Case/Package=0603, Category="Chip SMD Resistors", ComponentLink1Description=https://datasheet.ciiva.com/7660/38590-7660788.pdf?src-supplier=Element14, ComponentLink1URL=https://datasheet.ciiva.com/7660/38590-7660788.pdf?src-supplier=Element14, ComponentLink2Description=https://datasheet.ciiva.com/11808/0900766b80f96399-11808280.pdf?src-supplier=RSComponents, ComponentLink2URL=https://datasheet.ciiva.com/11808/0900766b80f96399-11808280.pdf?src-supplier=RSComponents, ComponentLink3Description=https://datasheet.ciiva.com/46440/1868787-46440890.pdf?src-supplier=Element14, ComponentLink3URL=https://datasheet.ciiva.com/46440/1868787-46440890.pdf?src-supplier=Element14, ComponentLink4Description=https://datasheet.ciiva.com/7746/1738695-7746237.pdf?src-supplier=Element14, ComponentLink4URL=https://datasheet.ciiva.com/7746/1738695-7746237.pdf?src-supplier=Element14, ComponentLink5Description=https://datasheet.ciiva.com/7746/1738695-7746238.pdf?src-supplier=Element14, ComponentLink5URL=https://datasheet.ciiva.com/7746/1738695-7746238.pdf?src-supplier=Element14, ComponentLink6Description=https://datasheet.ciiva.com/22747/443971-22747518.pdf?src-supplier=Element14, ComponentLink6URL=https://datasheet.ciiva.com/22747/443971-22747518.pdf?src-supplier=Element14, Composition=ThickFilm, Datasheet URL=http://www.yageo.com/NewPortal/yageodocoutput?fileName=/pdf/R-Chip/PYu-RC_Group_51_RoHS_L_5.pdf, Datasheet Version="Rev. 5, 10/2016", Depth=0.8mm, Height=0.45mm, Lead Free=LeadFree, Length=1.6mm, Manufacturer URL=http://www.yageo.com/, Military Standard=Not, Number of Pins=2, Package Reference=0603, Packaging=TapeandReel, Pricing 1="1=0.10000, 10=0.02300, 100=0.00940, 1000=0.00421, 2500=0.00366 (USD)", REACH SVHC=Unknown, RoHS=Yes, RoHSCompliant=true, Stock 1=21618328, Supplier 1=Digi-Key, Termination=SMD/SMT, Voltage Rating (DC)=50V, Width=0.8mm
R15: library part CMP-2002-00968-1, "1/16W ±1% ±100ppm/℃ 68kΩ 0402 Chip Resistor - Surface Mount ROHS", Case Code (Imperial)=0402, Case Code (Metric)=1005, JLCPCB Part #=C36871, Manufacturer=Panasonic, Manufacturer Part Number=ERJ-2RKF4993X, Max Operating Temperature=155°C, Max Power Dissipation=100mW, Min Operating Temperature=-55°C, Package Quantity=1, Resistance=499kR, Supplier Part Number 1=P499KLCT-ND, Temperature coefficient=100ppm/°C, Tolerance=1%, Voltage Rating=50V, Case/Package=0402, Category="Chip SMD Resistors", ComponentLink1Description=https://datasheet.ciiva.com/28610/1678782-28610966.pdf?src-supplier=Element14, ComponentLink1URL=https://datasheet.ciiva.com/28610/1678782-28610966.pdf?src-supplier=Element14, ComponentLink2Description=https://datasheet.ciiva.com/24163/aoa0000ce2-24163576.pdf?src-supplier=Mouser, ComponentLink2URL=https://datasheet.ciiva.com/24163/aoa0000ce2-24163576.pdf?src-supplier=Mouser, ComponentLink3Description=https://datasheet.ciiva.com/9181/aoa0000ce2-9181513.pdf?src-supplier=Avnet, ComponentLink3URL=https://datasheet.ciiva.com/9181/aoa0000ce2-9181513.pdf?src-supplier=Avnet, ComponentLink4Description=https://datasheet.ciiva.com/5951/426256-5951322.pdf?src-supplier=Farnell, ComponentLink4URL=https://datasheet.ciiva.com/5951/426256-5951322.pdf?src-supplier=Farnell, ComponentLink5Description=https://datasheet.ciiva.com/43460/426256-43460346.pdf?src-supplier=Farnell, ComponentLink5URL=https://datasheet.ciiva.com/43460/426256-43460346.pdf?src-supplier=Farnell, ComponentLink6Description=https://datasheet.ciiva.com/9181/aoa0000ce2-9181509.pdf?src-supplier=Avnet, ComponentLink6URL=https://datasheet.ciiva.com/9181/aoa0000ce2-9181509.pdf?src-supplier=Avnet, ComponentLink7Description=https://datasheet.ciiva.com/28672/1678782-28672345.pdf?src-supplier=Element14, ComponentLink7URL=https://datasheet.ciiva.com/28672/1678782-28672345.pdf?src-supplier=Element14, ComponentLink8Description=https://datasheet.ciiva.com/46377/426256-46377753.pdf?src-supplier=Element14, ComponentLink8URL=https://datasheet.ciiva.com/46377/426256-46377753.pdf?src-supplier=Element14, ComponentLink9Description=https://datasheet.ciiva.com/16760/70260748-16760715.pdf?src-supplier=Allied+Electronics, ComponentLink9URL=https://datasheet.ciiva.com/16760/70260748-16760715.pdf?src-supplier=Allied+Electronics, Composition="Thick Film", Contact Plating=Tin, Depth=0.5mm, Features="Automotive AEC-Q200", Height=0.016inch, Lead Free="Lead Free", Length=1mm, Military Standard=Not, Mount="Surface Mount", Number of Terminations=2, Packaging="Tape and Reel", Part Number=ERJ-2RKF4993X, Power Rating=100mW, Pricing 1="1=0.10000, 10=0.04000, 100=0.01620, 1000=0.00729, 2500=0.00632, 5000=0.00523 (USD)", REACH SVHC=Unknown, RoHS=Yes, Stock 1=131008, Supplier 1=Digi-Key, Termination=SMD/SMT, Voltage Rating (DC)=50V, Weight=2.8E-05oz, Width=0.5mm
R18: library part CMP-1011-00675-2, "Res Thick Film 0402 30K Ohm 1% 0.063W(1/16W) ±100ppm/C Molded SMD Automotive Paper T/R", Case Code (Imperial)=0402, Case Code (Metric)=1005, Manufacturer="Vishay Dale", Manufacturer Part Number=CRCW040230K0FKED, Max Operating Temperature=155°C, Max Power Dissipation=63mW, Min Operating Temperature=-55°C, Package Quantity=10000, Resistance=30kR, Resistance Tolerance=1%, Resistor Type="Thick Film", Supplier Part Number 1=6789140, Temperature coefficient=100ppm/°C, Voltage Rating=50V, Case/Package=0402, Category="Chip SMD Resistors", ComponentLink1Description=https://datasheet.ciiva.com/11811/0900766b80d98824-11811264.pdf?src-supplier=RSComponents, ComponentLink1URL=https://datasheet.ciiva.com/11811/0900766b80d98824-11811264.pdf?src-supplier=RSComponents, ComponentLink2Description=https://datasheet.ciiva.com/7673/1697337-7673253.pdf?src-supplier=Element14, ComponentLink2URL=https://datasheet.ciiva.com/7673/1697337-7673253.pdf?src-supplier=Element14, ComponentLink3Description=https://datasheet.ciiva.com/2464/dcrcwe3-2464534.pdf?src-supplier=Digi-Key, ComponentLink3URL=https://datasheet.ciiva.com/2464/dcrcwe3-2464534.pdf?src-supplier=Digi-Key, ComponentLink4Description=https://datasheet.ciiva.com/7673/1697337-7673254.pdf?src-supplier=Element14, ComponentLink4URL=https://datasheet.ciiva.com/7673/1697337-7673254.pdf?src-supplier=Element14, ComponentLink5Description=https://datasheet.ciiva.com/2464/dcrcwe3-2464535.pdf?src-supplier=Digi-Key, ComponentLink5URL=https://datasheet.ciiva.com/2464/dcrcwe3-2464535.pdf?src-supplier=Digi-Key, ComponentLink6Description=https://datasheet.ciiva.com/2464/dcrcwe3-2464536.pdf?src-supplier=Digi-Key, ComponentLink6URL=https://datasheet.ciiva.com/2464/dcrcwe3-2464536.pdf?src-supplier=Digi-Key, ComponentLink7Description=https://datasheet.ciiva.com/16886/dcrcwe3-16886248.pdf?src-supplier=Avnet+Europe, ComponentLink7URL=https://datasheet.ciiva.com/16886/dcrcwe3-16886248.pdf?src-supplier=Avnet+Europe, ComponentLink8Description=https://datasheet.ciiva.com/3256/dcrcwe3-3256380.pdf?src-supplier=Avnet, ComponentLink8URL=https://datasheet.ciiva.com/3256/dcrcwe3-3256380.pdf?src-supplier=Avnet, ComponentLink9Description=https://datasheet.ciiva.com/22702/1697337-22702876.pdf?src-supplier=Element14, ComponentLink9URL=https://datasheet.ciiva.com/22702/1697337-22702876.pdf?src-supplier=Element14, ComponentLink10Description=https://datasheet.ciiva.com/16784/70201119-16784286.pdf?src-supplier=Allied+Electronics, ComponentLink10URL=https://datasheet.ciiva.com/16784/70201119-16784286.pdf?src-supplier=Allied+Electronics, Construction=Rectangular, Contact Plating=Tin, Depth=0.5mm, Features="Automotive AEC-Q200", Height=0.35mm, Lead Free="Lead Free", Length=1mm, Military Standard=Not, Mount="Surface Mount", Number of Pins=2, Number of Terminations=2, Packaging="Tape and Reel", Part Number=CRCW040230K0FKED, Power Rating=63mW, Pricing 1="50=0.04000, 500=0.01600, 1250=0.00800 (USD)", Radiation Hardening=No, REACH SVHC=Unknown, RoHS=Yes, RoHS Compliant=Yes, Series=CRCW, Size Code=0402, Stock 1=19350, Supplier 1=RSComponents, Technology="THICK FILM", Termination=SMD/SMT, Tolerance=1%, Voltage Rating (DC)=50V, Weight=2.3E-05oz, Width=0.5mm